# KiCad board GNSS_Firehose.kicad_pcb
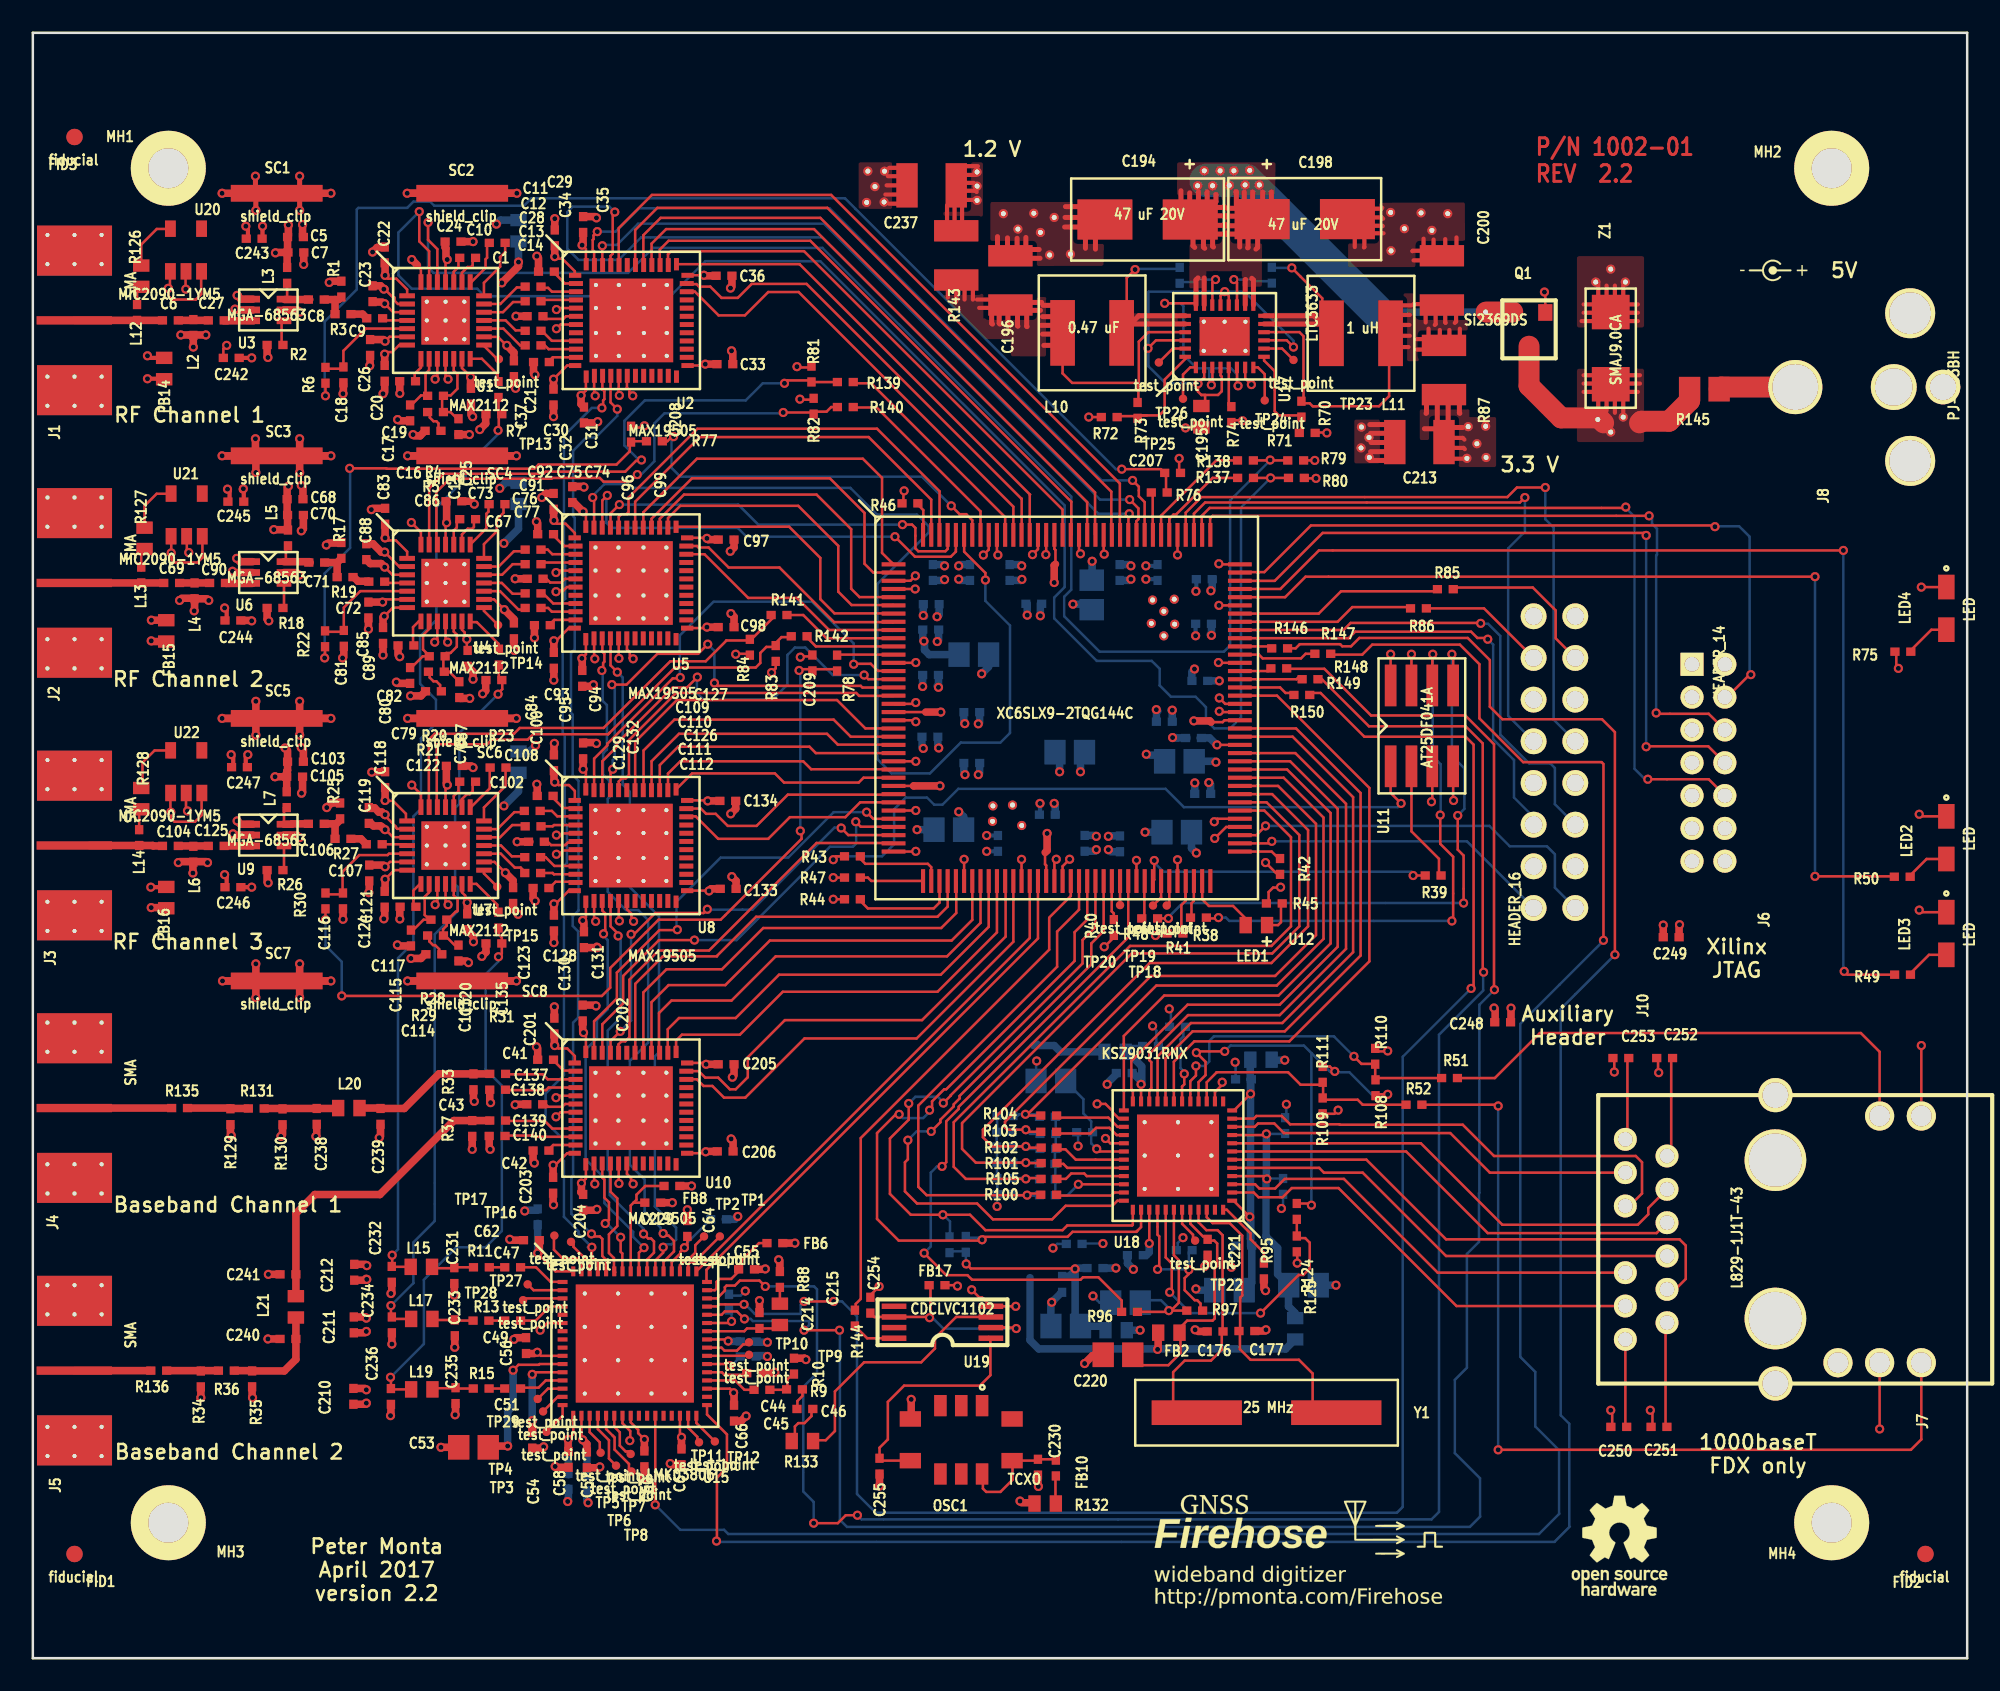
[diagram p0: board, top side]
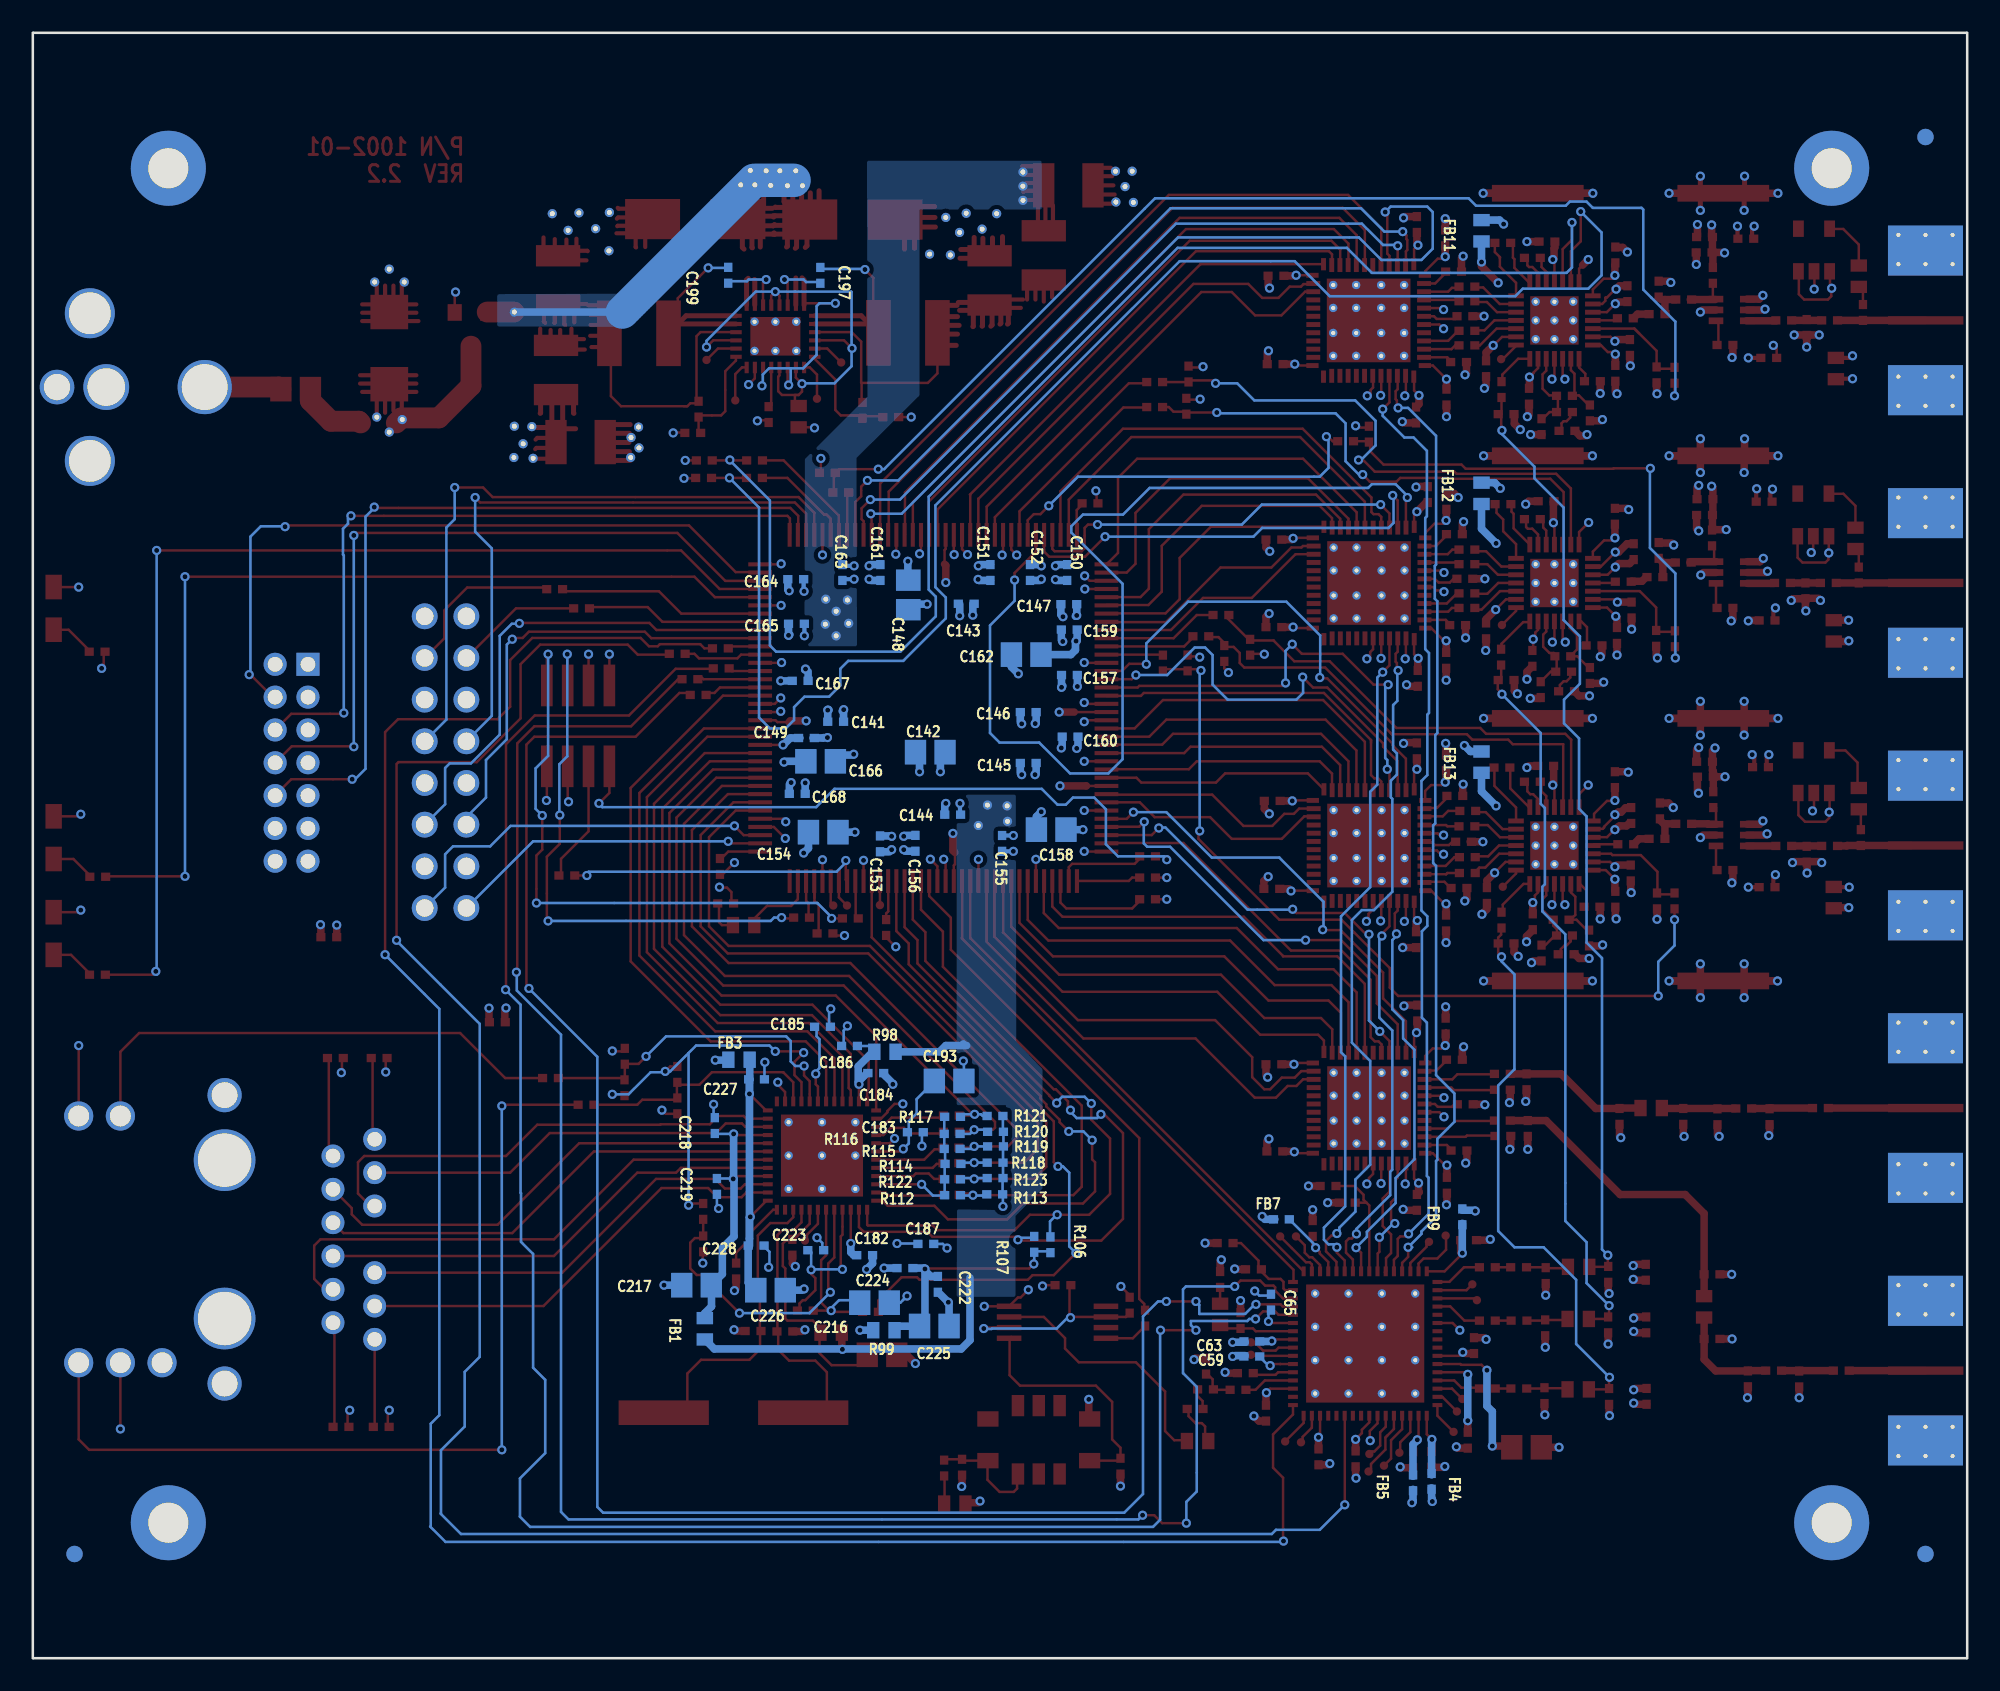
[diagram p1: board, bottom side, seen from below]

Outline 117.86 x 99.06 mm; copper layers: Top, In1.Cu (plane), In2.Cu (plane), Bottom. Coordinates in mm from the lower left corner of the outline.
Outline path: 0,99.06 117.86,99.06 117.86,0 0,0 0,99.06

## Placement (name value [footprint] x y rotation side)
C1  47 nF  [0402]  28.3 86.26 0 top
C5  10 nF  [0402]  16 86.61 0 top
C6  100 pF  [0402]  8.38 81.53 0 top
C7  100 pF  [0402]  16.03 85.67 0 top
C8  100 pF  [0402]  17.27 82.8 0 top
C9  100 pF  [0402]  20.83 81.66 0 top
C10  47 nF  [0402]  26.49 85.34 0 top
C11  47 nF  [0402]  30.48 83.59 0 top
C12  47 nF  [0402]  30.48 82.7 0 top
C13  47 nF  [0402]  30.48 80.9 0 top
C14  47 nF  [0402]  30.48 80.01 0 top
C15  2.2 nF  [0402]  25.93 75.06 270 top
C16  33 nF  [0402]  24.38 74.8 180 top
C17  100 pF  [0402]  22.99 75.9 270 top
C18  0.1 uF  [0402]  18.92 78.21 270 top
C19  0.1 uF  [0402]  22.83 77.83 180 top
C20  1000 pF  [0402]  21.44 78.31 270 top
C21  1000 pF  [0402]  29.31 78.59 270 top
C22  1000 pF  [0402]  21.44 85.52 90 top
C23  1000 pF  [0402]  20.7 83.16 270 top
C24  1000 pF  [0402]  25.6 86.33 0 top
C25  1000 pF  [0402]  26.7 76.91 270 top
C26  1000 pF  [0402]  20.55 79.88 270 top
C27  100 pF  [0402]  11.18 81.53 0 top
C28  0.1 uF  [0402]  30.6 81.79 180 top
C29  0.1 uF  [0402]  31.29 84.51 180 top
C30  0.1 uF  [0402]  30.99 78.99 180 top
C31  0.1 uF  [0402]  33.58 75.77 270 top
C32  0.1 uF  [0402]  31.72 76.86 270 top
C33  0.1 uF  [0402]  42.16 78.87 0 top
C34  0.1 uF  [0402]  31.8 86.56 90 top
C35  0.1 uF  [0402]  33.53 87.38 90 top
C36  0.1 uF  [0402]  42.11 84.25 0 top
C37  0.1 uF  [0402]  28.37 77.32 90 top
C41  0.1 uF  [0402]  31.24 36.47 180 top
C42  0.1 uF  [0402]  30.96 30.94 180 top
C43  0.1 uF  [0402]  30.58 33.76 180 top
C44  0.1 uF  [0402]  43.98 17.37 180 top
C45  0.1 uF  [0402]  44.42 16.36 180 top
C46  0.1 uF  [0402]  47.04 15.19 180 top
C47  0.1 uF  [0402]  29.24 23.83 180 top
C49  0.1 uF  [0402]  29.24 20.57 180 top
C51  0.1 uF  [0402]  29.24 16.43 180 top
C53  10 uF  [0805]  26.85 12.85 180 top
C54  0.1 uF  [0402]  30.43 13.28 270 top
C55  0.1 uF  [0402]  43.48 23.7 0 top
C56  0.1 uF  [0402]  30.05 19.05 90 top
C57  0.1 uF  [0402]  33.76 12.09 270 top
C58  0.1 uF  [0402]  32.64 12.12 270 top
C59  0.1 uF  [0402]  43.59 18.39 0 bottom
C60  0.1 uF  [0402]  37.26 12.15 270 top
C61  0.1 uF  [0402]  39.52 12.27 270 top
C62  0.1 uF  [0402]  30.38 25.48 180 top
C63  0.1 uF  [0402]  43.59 19.3 0 bottom
C64  0.1 uF  [0402]  39.88 26.19 90 top
C65  0.1 uF  [0402]  42.42 21.7 90 bottom
C66  0.1 uF  [0402]  42.72 14.94 270 top
C67  47 nF  [0402]  28.28 70.33 0 top
C68  10 nF  [0402]  15.98 70.64 0 top
C69  100 pF  [0402]  8.46 65.53 0 top
C70  100 pF  [0402]  16 69.67 0 top
C71  100 pF  [0402]  17.3 66.78 0 top
C72  100 pF  [0402]  20.95 65.61 0 top
C73  47 nF  [0402]  26.49 69.42 0 top
C74  47 nF  [0402]  30.48 67.56 0 top
C75  47 nF  [0402]  30.48 66.68 0 top
C76  47 nF  [0402]  30.48 64.9 0 top
C77  47 nF  [0402]  30.48 64.01 0 top
C78  2.2 nF  [0402]  25.98 59.03 270 top
C79  33 nF  [0402]  24.41 58.93 180 top
C80  100 pF  [0402]  22.99 59.89 270 top
C81  0.1 uF  [0402]  18.95 62.15 270 top
C82  0.1 uF  [0402]  22.73 61.72 180 top
C83  1000 pF  [0402]  21.46 69.6 90 top
C84  1000 pF  [0402]  29.31 62.61 270 top
C85  1000 pF  [0402]  20.45 63.88 270 top
C86  1000 pF  [0402]  25.65 70.51 0 top
C87  1000 pF  [0402]  26.49 60.93 270 top
C88  1000 pF  [0402]  20.32 67.44 270 top
C89  1000 pF  [0402]  21.34 62.33 270 top
C90  100 pF  [0402]  11.25 65.53 0 top
C91  0.1 uF  [0402]  30.61 65.79 180 top
C92  0.1 uF  [0402]  31.24 68.5 180 top
C93  0.1 uF  [0402]  31.05 62.96 180 top
C94  0.1 uF  [0402]  33.48 59.72 270 top
C95  0.1 uF  [0402]  31.74 60.81 270 top
C96  0.1 uF  [0402]  31.73 70.5 90 top
C97  0.1 uF  [0402]  42.24 68.17 0 top
C98  0.1 uF  [0402]  42.24 62.84 0 top
C99  0.1 uF  [0402]  32.87 70.92 90 top
C100  0.1 uF  [0402]  28.4 61.01 90 top
C102  47 nF  [0402]  28.35 54.28 0 top
C103  10 nF  [0402]  16 54.64 0 top
C104  100 pF  [0402]  8.38 49.5 0 top
C105  100 pF  [0402]  15.95 53.72 0 top
C106  100 pF  [0402]  17.27 50.85 0 top
C107  100 pF  [0402]  20.8 49.61 0 top
C108  47 nF  [0402]  26.49 53.42 0 top
C109  47 nF  [0402]  30.43 51.64 0 top
C110  47 nF  [0402]  30.48 50.7 0 top
C111  47 nF  [0402]  30.45 48.82 0 top
C112  47 nF  [0402]  30.45 47.85 0 top
C113  2.2 nF  [0402]  25.93 42.98 270 top
C114  33 nF  [0402]  24.43 42.9 180 top
C115  100 pF  [0402]  23.04 43.89 270 top
C116  0.1 uF  [0402]  18.9 46.15 270 top
C117  0.1 uF  [0402]  22.86 45.8 180 top
C118  1000 pF  [0402]  21.46 53.54 90 top
C119  1000 pF  [0402]  20.47 51.36 270 top
C120  1000 pF  [0402]  26.47 44.88 270 top
C121  1000 pF  [0402]  20.5 47.85 270 top
C122  1000 pF  [0402]  25.68 54.38 0 top
C123  1000 pF  [0402]  29.26 46.48 270 top
C124  1000 pF  [0402]  21.44 46.25 270 top
C125  100 pF  [0402]  11.18 49.5 0 top
C126  0.1 uF  [0402]  30.68 49.76 180 top
C127  0.1 uF  [0402]  31.22 52.55 180 top
C128  0.1 uF  [0402]  30.96 46.94 180 top
C129  0.1 uF  [0402]  31.75 54.57 90 top
C130  0.1 uF  [0402]  31.75 44.81 270 top
C131  0.1 uF  [0402]  33.58 43.79 270 top
C132  0.1 uF  [0402]  33.53 55.3 90 top
C133  0.1 uF  [0402]  42.37 46.89 0 top
C134  0.1 uF  [0402]  42.34 52.25 0 top
C135  0.1 uF  [0402]  28.37 44.98 90 top
C137  0.1 uF  [0402]  28.32 35.61 0 top
C138  0.1 uF  [0402]  28.32 34.65 0 top
C139  0.1 uF  [0402]  28.32 32.77 0 top
C140  0.1 uF  [0402]  28.29 31.83 0 top
C141  0.1 uF  [0402]  68.94 57.07 180 bottom
C142  10 uF  [0805]  63.18 55.22 180 bottom
C143  0.1 uF  [0402]  60.99 64.26 180 bottom
C144  0.1 uF  [0402]  61.81 51.41 180 bottom
C145  0.1 uF  [0402]  57.21 54.56 180 bottom
C146  0.1 uF  [0402]  57.21 57.66 180 bottom
C147  0.1 uF  [0402]  54.74 64.24 0 bottom
C148  10 uF  [0805]  64.52 64.8 270 bottom
C149  0.1 uF  [0402]  70.72 56.08 180 bottom
C150  0.1 uF  [0402]  54.84 66.17 270 bottom
C151  0.1 uF  [0402]  59.51 66.17 270 bottom
C152  0.1 uF  [0402]  57.1 66.17 270 bottom
C153  0.1 uF  [0402]  66.24 49.63 90 bottom
C154  10 uF  [0805]  69.7 50.34 180 bottom
C155  0.1 uF  [0402]  58.8 49.66 90 bottom
C156  0.1 uF  [0402]  64.08 49.66 90 bottom
C157  0.1 uF  [0402]  54.7 59.92 0 bottom
C158  10 uF  [0805]  55.81 50.5 0 bottom
C159  0.1 uF  [0402]  54.71 62.69 0 bottom
C160  0.1 uF  [0402]  54.66 56.16 0 bottom
C161  0.1 uF  [0402]  66.22 66.17 270 bottom
C162  10 uF  [0805]  57.33 61.16 0 bottom
C163  0.1 uF  [0402]  68.53 66.17 270 bottom
C164  0.1 uF  [0402]  71.37 65.76 180 bottom
C165  0.1 uF  [0402]  71.33 63.04 180 bottom
C166  10 uF  [0805]  69.86 54.66 180 bottom
C167  0.1 uF  [0402]  71.1 59.56 180 bottom
C168  0.1 uF  [0402]  71.28 52.68 180 bottom
C176  33 pF  [0402]  72.03 19.91 180 top
C177  33 pF  [0402]  73.97 19.94 0 top
C182  0.1 uF  [0402]  67.18 24.56 180 bottom
C183  0.1 uF  [0402]  64.08 32.05 180 bottom
C184  0.1 uF  [0402]  66.5 35.66 180 bottom
C185  0.1 uF  [0402]  69.74 38.48 180 bottom
C186  0.1 uF  [0402]  68.1 37.31 0 bottom
C187  0.1 uF  [0402]  63.45 25.25 180 bottom
C193  10 uF  [0805]  62.03 35.18 180 bottom
C194  47 uF 20V  [tantalum-size-D]  67.92 87.68 180 top
C195  2.2 uF  [0603]  71.2 75.67 270 top
C196  47 uF  [1210]  59.56 83.97 90 top
C197  0.1 uF 25V  [0402]  69.88 84.28 270 bottom
C198  47 uF 20V  [tantalum-size-D]  77.5 87.71 0 top
C199  0.1 uF 25V  [0402]  75.49 84.28 90 bottom
C200  22 uF  [1210]  85.85 83.97 90 top
C201  0.1 uF  [0402]  31.78 38.53 90 top
C202  0.1 uF  [0402]  33.5 39.32 90 top
C203  0.1 uF  [0402]  31.7 28.82 270 top
C204  0.1 uF  [0402]  33.53 27.78 270 top
C205  0.1 uF  [0402]  42.24 36.2 0 top
C206  0.1 uF  [0402]  42.18 30.89 0 top
C207  0.1 uF  [0402]  69.44 72.24 0 top
C208  0.1 uF  [0402]  36.45 74.6 90 top
C209  0.1 uF  [0402]  47.5 60.66 90 top
C210  0.1 uF  [0402]  19.53 15.96 270 top
C211  0.1 uF  [0402]  19.56 20.31 90 top
C212  0.1 uF  [0402]  19.58 23.52 270 top
C213  NONE  [1210]  84.48 74.12 180 top
C214  220 pF  [0402]  44.27 20.58 90 top
C215  18 nF  [0603]  45.52 20.96 90 top
C216  10 uF  [0805]  66.57 21.67 180 bottom
C217  10 uF  [0805]  77.42 22.73 0 bottom
C218  0.1 uF  [0402]  76.3 32.46 90 bottom
C219  0.1 uF  [0402]  76.17 28.75 270 bottom
C220  10 uF  [0805]  66.12 18.49 180 top
C221  0.1 uF  [0402]  71.58 25.04 270 top
C222  0.1 uF  [0402]  62.71 22.78 270 bottom
C223  0.1 uF  [0402]  70.15 24.87 180 bottom
C224  0.1 uF  [0402]  64.72 23.77 0 bottom
C225  10 uF  [0805]  62.93 20.24 180 bottom
C226  10 uF  [0805]  72.91 22.43 180 bottom
C227  0.1 uF  [0402]  73.76 35.28 180 bottom
C228  0.1 uF  [0402]  73.79 25.15 180 bottom
C229  0.1 uF  [0402]  37.77 27.76 0 top
C230  0.1 uF  [0402]  61.24 11.64 270 top
C231  10 pF  [0402]  25.68 23.32 270 top
C232  10 pF  [0402]  21.87 23.39 270 top
C233  10 pF  [0402]  25.71 20.14 270 top
C234  10 pF  [0402]  21.88 20.31 270 top
C235  10 pF  [0402]  25.76 16 270 top
C236  10 pF  [0402]  21.82 15.95 270 top
C237  NONE  [1210]  54.76 89.76 180 top
C238  NONE  [0402]  17.3 33.02 270 top
C239  NONE  [0402]  21.18 33.02 270 top
C240  NONE  [0402]  15.54 19.46 180 top
C241  NONE  [0402]  15.54 23.39 180 top
C242  1000 pF  [0402]  12.09 79.25 180 top
C243  1000 pF  [0402]  13.49 86.51 180 top
C244  1000 pF  [0402]  12.19 63.25 180 top
C245  1000 pF  [0402]  12.37 70.49 180 top
C246  1000 pF  [0402]  12.19 46.99 180 top
C247  1000 pF  [0402]  12.59 54.31 180 top
C248  0.1 uF  [0402]  89.55 38.76 180 top
C249  0.1 uF  [0402]  99.82 43.94 180 top
C250  0.1 uF  [0402]  96.63 14.1 180 top
C251  0.1 uF  [0402]  99.08 14.1 180 top
C252  0.1 uF  [0402]  99.42 36.58 180 top
C253  0.1 uF  [0402]  96.76 36.58 180 top
C254  0.1 uF  [0402]  51.03 21.51 90 top
C255  10 pF  [0402]  51.59 11.7 270 top
FB1  240  [0603]  76.91 20.08 90 bottom
FB2  240  [0603]  69.22 19.84 0 top
FB3  240  [0603]  74.83 36.47 180 bottom
FB4  240  [0402]  32.63 10.78 90 bottom
FB5  240  [0402]  33.76 10.69 90 bottom
FB6  240  [0402]  45.21 25.3 180 top
FB7  240  [0402]  41.78 26.75 180 bottom
FB8  240  [0402]  38.94 28.78 180 top
FB9  240  [0402]  30.76 26.9 270 bottom
FB10  240  [0402]  62.33 11.59 90 top
FB11  240  [0603]  29.59 87 270 bottom
FB12  240  [0603]  29.59 70.99 270 bottom
FB13  240  [0603]  29.59 54.61 270 bottom
FB14  240  [0603]  8 78.6 90 top
FB15  240  [0603]  8.13 62.61 90 top
FB16  240  [0603]  8.13 46.36 90 top
FB17  240  [0402]  55.09 22.73 180 top
FID1  fiducial  [FIDUCIAL]  2.54 6.35 0 top
FID2  fiducial  [FIDUCIAL]  115.32 6.35 0 top
FID3  fiducial  [FIDUCIAL]  2.54 92.71 0 top
G***  LOGO  [graphics-oshw-logo]  96.67 6.86 0 top
G***#2  LOGO  [graphics-firehose-logo]  77.24 6.73 0 top
G***#3  LOGO  [graphics-power-symbol]  106.07 84.58 0 top
J1  SMA  [SMA_END_LAUNCH]  -0.51 81.53 90 top
J2  SMA  [SMA_END_LAUNCH]  -0.51 65.53 90 top
J3  SMA  [SMA_END_LAUNCH]  -0.51 49.53 90 top
J4  SMA  [SMA_END_LAUNCH]  -0.51 33.53 90 top
J5  SMA  [SMA_END_LAUNCH]  -0.51 17.53 90 top
J6  HEADER_14  [HEADER14_2MM]  105.09 60.57 270 top
J7  -  [L829-1J1T-43]  106.17 25.53 270 top
J8  -  [PJ-063BH]  119.38 77.47 270 top
J10  HEADER_16  [HEADER16_100MIL]  88.9 45.72 90 top
L2  6 nH  [0402]  9.78 81.1 270 top
L3  47 nH  [0402]  15.49 84.28 270 top
L4  6 nH  [0402]  9.86 65.05 270 top
L5  47 nH  [0402]  15.54 68.28 270 top
L6  6 nH  [0402]  9.78 49 270 top
L7  47 nH  [0402]  15.47 52.32 270 top
L10  0.47 uF  [NRS5020]  64.54 80.77 180 top
L11  1 uH  [NRS5020]  80.92 80.75 180 top
L12  47 nH  [0402]  6.35 82.02 270 top
L13  47 nH  [0402]  6.6 66.01 270 top
L14  47 nH  [0402]  6.48 50.01 270 top
L15  56 nH  [0603]  23.67 23.85 180 top
L17  56 nH  [0603]  23.7 20.68 180 top
L19  56 nH  [0603]  23.7 16.38 180 top
L20  0  [0603]  19.25 33.53 0 top
L21  0  [0603]  16.03 21.41 90 top
LED1  LED  [0603]  74.55 44.68 180 top
LED2  LED  [APA2106]  116.59 50.01 90 top
LED3  LED  [APA2106]  116.59 44.17 90 top
LED4  LED  [APA2106]  116.59 63.98 90 top
MH1  mounting_hole  [HOLE_UNC_2_56]  8.26 90.81 0 top
MH2  mounting_hole  [HOLE_UNC_2_56]  109.6 90.81 0 top
MH3  mounting_hole  [HOLE_UNC_2_56]  8.26 8.25 0 top
MH4  mounting_hole  [HOLE_UNC_2_56]  109.6 8.25 0 top
OSC1  TCXO  [D75J]  60.31 10.58 180 top
Q1  Si2369DS  [SOT23]  92.79 79.22 180 top
R1  86.6  [0402]  18.8 83.44 90 top
R2  5.1k  [0402]  14.76 80.04 0 top
R3  43.2  [0402]  18.9 81.92 180 top
R4  820  [0402]  24.54 76.94 0 top
R5  390  [0402]  24.54 75.95 180 top
R6  10k  [0402]  17.83 78.19 270 top
R7  80  [0402]  28.09 75.82 180 top
R9  150  [0402]  46.41 16.38 180 top
R10  220  [0402]  46.37 17.8 90 top
R11  80  [0402]  27.33 23.83 180 top
R13  80  [0402]  27.31 20.57 180 top
R15  80  [0402]  27.32 16.43 180 top
R17  86.6  [0402]  18.8 67.51 90 top
R18  5.1k  [0402]  14.76 64.01 0 top
R19  43.2  [0402]  19.02 65.89 180 top
R20  820  [0402]  24.64 61.06 0 top
R21  390  [0402]  24.59 60.12 180 top
R22  10k  [0402]  17.81 62.13 270 top
R23  80  [0402]  28.09 59.61 180 top
R25  86.6  [0402]  18.72 51.64 90 top
R26  5.1k  [0402]  14.76 48.03 0 top
R27  43.2  [0402]  18.9 49.94 180 top
R28  820  [0402]  24.74 45.01 0 top
R29  390  [0402]  24.54 44.04 180 top
R30  10k  [0402]  17.83 46.15 270 top
R31  80  [0402]  28.09 43.56 180 top
R33  49.9  [0402]  26.85 35.13 270 top
R34  60.4  [0402]  10.24 17.02 270 top
R35  60.4  [0402]  13.36 17.02 270 top
R36  249  [0402]  11.79 17.53 0 top
R37  49.9  [0402]  26.77 32.28 270 top
R38  47  [0402]  71.02 45.14 0 top
R39  47  [0402]  85.32 47.7 0 top
R40  1k  [0402]  65.86 44.53 270 top
R41  1k  [0402]  69.59 44.17 180 top
R42  0  [0402]  75.99 48.25 270 top
R43  47  [0402]  49.94 48.87 180 top
R44  4.7k  [0402]  49.94 46.25 180 top
R45  330  [0402]  75.64 46 180 top
R46  10k  [0402]  53.44 70.38 0 top
R47  4.7k  [0402]  49.94 47.57 180 top
R48  47  [0402]  68.05 45.09 0 top
R49  330  [0402]  113.92 41.66 0 top
R50  330  [0402]  113.9 47.63 0 top
R51  220  [0402]  86.32 35.36 0 top
R52  220  [0402]  84.15 33.73 0 top
R70  54.9k  [0402]  77.29 76.12 270 top
R71  12.1k  [0402]  77.65 74.68 0 top
R72  10k  [0402]  65.58 75.64 180 top
R73  10k  [0402]  67.31 76.05 90 top
R74  162k  [0402]  73.03 75.79 270 top
R75  330  [0402]  113.94 61.34 0 top
R76  10k  [0402]  68.63 71.04 0 top
R77  10k  [0402]  37.87 74.17 180 top
R78  10k  [0402]  49 60.65 270 top
R79  10k  [0402]  76.94 73 180 top
R80  10k  [0402]  76.99 71.93 180 top
R81  10k  [0402]  47.57 76.3 270 top
R82  10k  [0402]  47.44 78.26 270 top
R83  10k  [0402]  45.26 61.23 90 top
R84  10k  [0402]  43.69 61.61 90 top
R85  330  [0402]  86.06 65.15 0 top
R86  1k  [0402]  84.42 63.98 180 top
R87  0  [1210]  85.98 78.51 90 top
R88  820  [0402]  45.52 23.08 90 top
R95  12.1k 1%  [0402]  75.01 23.6 270 top
R96  470  [0402]  66.82 21.11 0 top
R97  10k  [0402]  70.79 21.18 180 top
R98  0  [0603]  65.94 36.96 0 bottom
R99  0  [0603]  66 19.99 180 bottom
R100  33  [0402]  61.89 28.24 0 top
R101  33  [0402]  61.92 30.18 0 top
R102  33  [0402]  61.92 31.12 0 top
R103  33  [0402]  61.89 32.08 0 top
R104  33  [0402]  61.89 33.07 0 top
R105  33  [0402]  61.91 29.21 0 top
R106  1k  [0402]  55.85 25.2 90 bottom
R107  4.7k  [0402]  56.85 25.22 90 bottom
R108  NONE  [0402]  81.81 34.77 90 top
R109  1k  [0402]  78.59 33.66 270 top
R110  1k  [0402]  81.79 36.68 90 top
R111  NONE  [0402]  78.59 35.58 270 top
R112  NONE  [0402]  61.82 28.22 180 bottom
R113  1k  [0402]  59.25 28.27 180 bottom
R114  NONE  [0402]  61.79 30.12 180 bottom
R115  NONE  [0402]  61.84 31.04 180 bottom
R116  10k  [0402]  61.84 31.95 180 bottom
R117  10k  [0402]  61.82 32.99 180 bottom
R118  1k  [0402]  59.23 30.2 180 bottom
R119  1k  [0402]  59.2 31.19 180 bottom
R120  NONE  [0402]  59.2 32.08 180 bottom
R121  NONE  [0402]  59.23 33.05 180 bottom
R122  NONE  [0402]  61.82 29.18 180 bottom
R123  1k  [0402]  59.23 29.26 180 bottom
R124  10k  [0402]  77.01 27.23 270 top
R125  NONE  [0402]  77.01 25.25 270 top
R126  0  [0603]  6.6 84.23 90 top
R127  0  [0603]  6.81 68.25 90 top
R128  0  [0603]  6.6 52.39 90 top
R129  NONE  [0402]  12.04 33 270 top
R130  NONE  [0402]  15.21 32.99 270 top
R131  0  [0402]  13.61 33.5 0 top
R132  0  [0603]  61.68 9.42 0 top
R133  10  [0603]  46.89 13.23 180 top
R135  0  [0402]  8.94 33.53 0 top
R136  0  [0402]  7.67 17.53 0 top
R137  1k  [0402]  73.89 71.93 180 top
R138  1k  [0402]  73.88 73 180 top
R139  1k  [0402]  49.5 77.77 0 top
R140  1k  [0402]  49.5 76.25 0 top
R141  1k  [0402]  45.47 63.58 180 top
R142  1k  [0402]  46.69 62.28 180 top
R143  0  [1210]  56.26 85.5 90 top
R144  10  [0402]  50.09 20.73 90 top
R145  0  [0805]  101.84 77.34 180 top
R146  10k  [0402]  75.96 61.54 180 top
R147  10k  [0402]  78.59 61.21 180 top
R148  10k  [0402]  75.91 60.33 180 top
R149  10k  [0402]  77.82 59.66 180 top
R150  10k  [0402]  77.32 58.71 180 top
SC1  shield_clip  [S1721]  14.86 89.28 0 top
SC2  shield_clip  [S1721]  26.16 89.28 0 top
SC3  shield_clip  [S1721]  14.86 73.28 0 top
SC4  shield_clip  [S1721]  26.16 73.28 0 top
SC5  shield_clip  [S1721]  14.86 57.28 0 top
SC6  shield_clip  [S1721]  26.16 57.28 0 top
SC7  shield_clip  [S1721]  14.86 41.28 0 top
SC8  shield_clip  [S1721]  26.16 41.28 0 top
TP1  test_point  [TP_SMT]  41.86 25.7 0 top
TP2  test_point  [TP_SMT]  40.89 25.7 0 top
TP3  test_point  [TP_SMT]  31.29 13.79 0 top
TP4  test_point  [TP_SMT]  31.09 15.04 0 top
TP5  test_point  [TP_SMT]  34.59 12.52 0 top
TP6  test_point  [TP_SMT]  35.53 11.73 0 top
TP7  test_point  [TP_SMT]  36.42 12.45 0 top
TP8  test_point  [TP_SMT]  36.47 11.38 0 top
TP9  test_point  [TP_SMT]  43.64 18.49 0 top
TP10  test_point  [TP_SMT]  43.64 19.25 0 top
TP11  test_point  [TP_SMT]  40.59 13.16 0 top
TP12  test_point  [TP_SMT]  41.55 13.21 0 top
TP13  test_point  [TP_SMT]  28.4 79.17 0 top
TP14  test_point  [TP_SMT]  28.35 62.97 0 top
TP15  test_point  [TP_SMT]  28.3 47.02 0 top
TP16  test_point  [TP_SMT]  32.79 25.37 0 top
TP17  test_point  [TP_SMT]  31.78 25.76 0 top
TP18  test_point  [TP_SMT]  69.09 45.87 0 top
TP19  test_point  [TP_SMT]  68.25 45.87 0 top
TP20  test_point  [TP_SMT]  66.24 45.9 0 top
TP22  test_point  [TP_SMT]  70.82 25.45 0 top
TP23  test_point  [TP_SMT]  76.81 79.12 0 top
TP24  test_point  [TP_SMT]  75.06 76.66 0 top
TP25  test_point  [TP_SMT]  68.61 78.97 0 top
TP26  test_point  [TP_SMT]  70.08 76.76 0 top
TP27  test_point  [TP_SMT]  30.15 22.78 0 top
TP28  test_point  [TP_SMT]  29.87 21.82 0 top
TP29  test_point  [TP_SMT]  30.76 15.8 0 top
U1  MAX2112  [QFN28_EP]  25.15 81.53 0 top
U2  MAX19505  [QFN48_EP]  36.47 81.53 0 top
U3  MGA-68563  [SOT-363]  14.35 82.17 0 top
U4  MAX2112  [QFN28_EP]  25.15 65.53 0 top
U5  MAX19505  [QFN48_EP]  36.44 65.53 0 top
U6  MGA-68563  [SOT-363]  14.35 66.17 0 top
U7  MAX2112  [QFN28_EP]  25.15 49.53 0 top
U8  MAX19505  [QFN48_EP]  36.44 49.53 0 top
U9  MGA-68563  [SOT-363]  14.35 50.17 0 top
U10  MAX19505  [QFN48_EP]  36.44 33.52 0 top
U11  AT25DF041A  [SO8]  84.63 56.82 90 top
U12  XC6SLX9-2TQG144C  [LQFP144]  62.99 57.91 0 top
U15  LMK03806  [LLP64_EP]  36.68 19.18 0 top